# KiCad board edc-mux-board-fpga-main.kicad_pcb (continued)
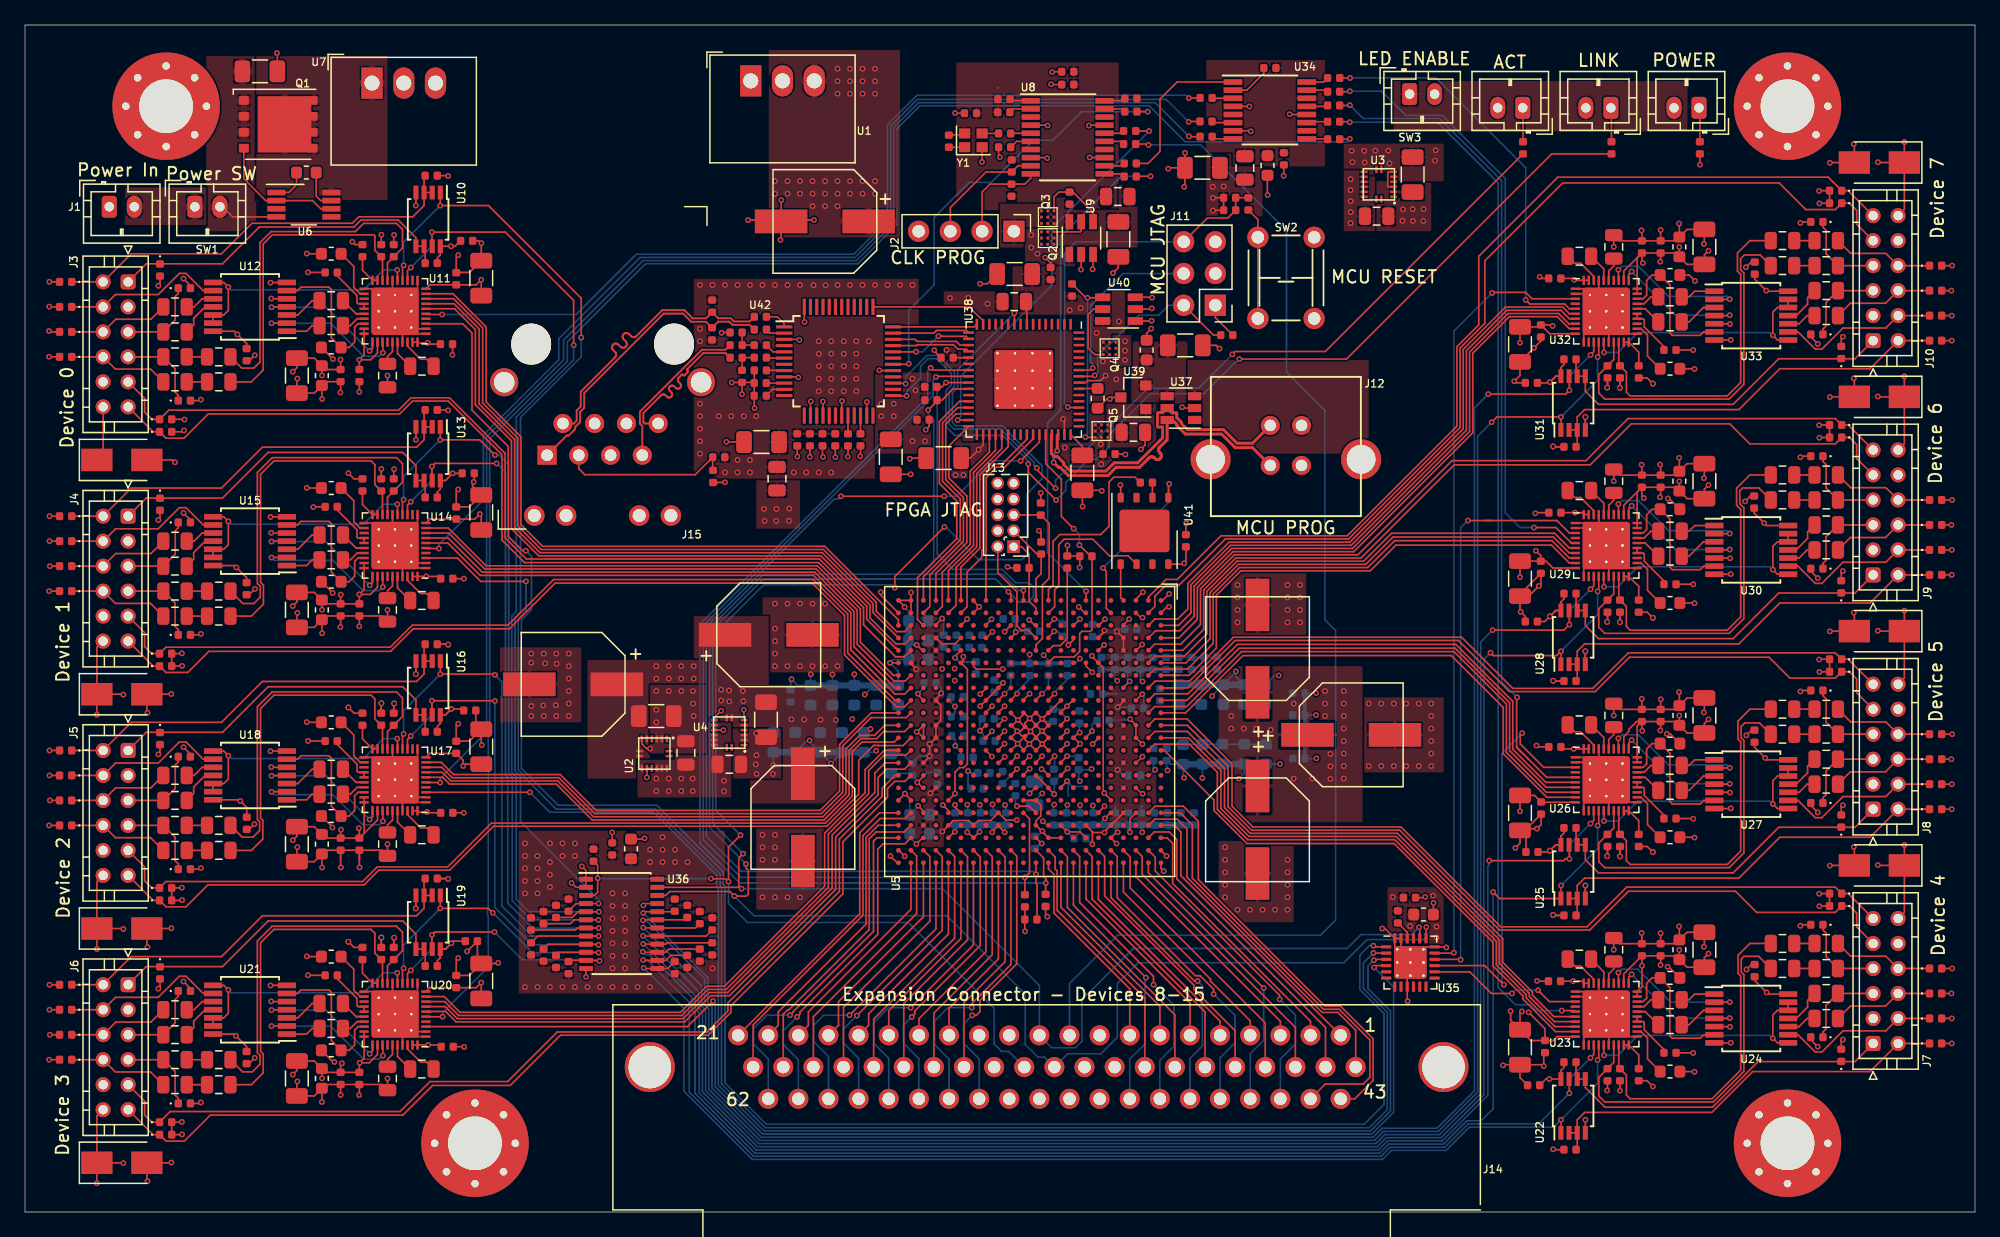
[diagram p0: board, top side]
## Routing (per net, layer and track width the routed paths; a pad name or vN(x,y) marks a point on that pad's centre or on a via; arc(x,y) is an arc through that point) (continued)
/CODEC interconnection sheet/Interface - Connector 6/R_IN: length 27.6
  Top w0.127: C241.2 137.99,58.99 136.93,57.93 136.93,56.56 137.26,56.24 137.26,47.64 136.18,46.56 128.42,46.56 128.11,46.87 128.11,48.46 C240.2 127.5,49.08 127.5,50.86
/CODEC interconnection sheet/Interface - Connector 6/R_OUT: length 3.3
  Top w0.127: U30.11 141.69,52.99 142.61,53.9 142.61,54.43 FB36.1
/CODEC interconnection sheet/Interface - Connector 6/REF: length 4.1
  Top w0.127: C244.2 129.8,49.75 129.8,51.43 129.29,51.94 U29.22
/CODEC interconnection sheet/Interface - Connector 6/SCL_HV: length 28.8
  Top w0.127: J9.1 146.4,49.54 140.3,49.54 136.65,45.89 125.88,45.89 124.82,46.94 U28.5 124.18,48.14 124.09,48.23 R27.2
/CODEC interconnection sheet/Interface - Connector 6/SDA_HV: length 33.8
  Top w0.127: U28.2 124.18,43.84 ; 124.18,43.84 124.18,42.58 R28.2 ; 124.18,43.84 124.18,44.88 124.77,45.47 137.11,45.47 140.38,48.74 147.6,48.74 J9.2 D64.1
/CODEC interconnection sheet/Interface - Connector 6/VNEG: length 1.9
  Top w0.127: U29.35 126.7,56.56 127.1,56.97 C246.2
/CODEC interconnection sheet/Interface - Connector 7/AUD_GND: length 13
  Top w0.127: U33.9 141.84,70.44 143.22,69.06 143.75,69.06 145.44,70.75 148.86,70.75 J10.4 D71.1
/CODEC interconnection sheet/Interface - Connector 7/HP_~{LINE}_SEL: length 20.4
  Top w0.127: U32.15 126.3,68.81 v1(126.32,68.79) ; U33.8 140.2,69.79 v1(139.83,70.16) 139.83,72.02 140.2,72.39 U33.12 U33.13
  Bottom w0.127: v1(126.32,68.79) 127.43,68.79 129.03,70.39 139.6,70.39 v1(139.83,70.16)
/CODEC interconnection sheet/Interface - Connector 7/HPL: length 11.3
  Top w0.127: v1(136.38,71.77) 136.35,71.74 U33.4 ; v1(128.53,75.27) 128.3,75.04 128.3,74.56
  Bottom w0.127: v1(128.53,75.27) 132.03,71.77 v1(136.38,71.77)
/CODEC interconnection sheet/Interface - Connector 7/HPR: length 12.2
  Top w0.127: 127.5,74.56 127.47,74.59 v1(127.47,75.41) ; v1(136.38,73.05) 136.37,73.04 U33.2
  Bottom w0.127: v1(127.47,75.41) 127.75,75.69 129.07,75.69 131.48,73.28 136.15,73.28 v1(136.38,73.05)
/CODEC interconnection sheet/Interface - Connector 7/L_IN: length 29.9
  Top w0.127: U32.17 127.1,68.22 C258.2 125.9,67.03 125.9,65.54 126.38,65.06 136.33,65.06 137.51,66.24 137.51,75.15 137.25,75.41 137.25,76.29 137.55,76.59 138.81,76.59 C270.1
/CODEC interconnection sheet/Interface - Connector 7/L_OUT: length 2.4
  Top w0.127: U33.10 141.93,71.09 142.57,71.74 FB38.2
/CODEC interconnection sheet/Interface - Connector 7/LINE_OUT_L: length 3.1
  Top w0.127: C267.1 133.12,71.24 134.28,72.39 U33.3
/CODEC interconnection sheet/Interface - Connector 7/LINE_OUT_R: length 2.8
  Top w0.127: U33.1 133.57,73.69 133.12,73.24 C268.1
/CODEC interconnection sheet/Interface - Connector 7/R_IN: length 27.5
  Top w0.127: C261.2 137.99,77.74 137,76.75 137,75.3 137.26,75.05 137.26,66.39 136.18,65.31 128.42,65.31 128.11,65.62 128.11,67.21 C260.2 127.5,67.83 U32.18
/CODEC interconnection sheet/Interface - Connector 7/R_OUT: length 3.3
  Top w0.127: U33.11 141.69,71.74 142.61,72.65 142.61,73.18 FB41.1
/CODEC interconnection sheet/Interface - Connector 7/REF: length 4.1
  Top w0.127: C264.2 129.8,68.5 129.8,70.18 129.29,70.69 U32.22
/CODEC interconnection sheet/Interface - Connector 7/SCL_HV: length 28.8
  Top w0.127: J10.1 146.4,68.29 140.3,68.29 136.65,64.64 125.88,64.64 124.82,65.69 U31.5 124.18,66.89 124.09,66.98 R29.2
/CODEC interconnection sheet/Interface - Connector 7/SDA_HV: length 33.8
  Top w0.127: R30.2 124.18,61.33 124.18,62.59 ; U31.2 124.18,62.59 ; 124.18,62.59 124.18,63.62 124.77,64.22 137.11,64.22 140.38,67.49 147.6,67.49 J10.2 D74.1
/CODEC interconnection sheet/Interface - Connector 7/VNEG: length 1.9
  Top w0.127: 126.7,74.56 126.7,75.31 127.1,75.72 C266.2
/CODEC interconnection sheet/MCLK0: length 73.8
  Top w0.127: v1(93.11,89.15) 93.12,89.16 R33.1 ; 32.08,71.89 32.14,71.83 v1(33.37,71.83)
  Bottom w0.127: v1(33.37,71.83) 44.09,71.83 48.91,76.65 66.3,76.65 69,79.35 69,87.02 71.36,89.38 92.88,89.38 v1(93.11,89.15)
/CODEC interconnection sheet/MCLK1: length 86.3
  Top w0.127: 94,87.28 93.12,87.28 v1(93.09,87.25) ; 32.08,53.14 32.11,53.1 v1(33.12,53.1)
  Bottom w0.127: v1(93.09,87.25) 91.3,89.04 71.38,89.04 69.25,86.91 69.25,79.24 66.41,76.4 49.21,76.4 42.7,69.89 42.7,68.21 36.67,62.18 36.67,56.97 33.12,53.43 v1(33.12,53.1)
/CODEC interconnection sheet/MCLK2: length 105.1
  Top w0.127: v1(33.22,34.37) 32.09,34.37 32.08,34.39 ; v1(93.12,86.08) 93.14,86.06 R39.1
  Bottom w0.127: v1(33.22,34.37) 33.22,34.69 36.92,38.39 36.92,62.03 43.09,68.2 43.09,69.79 49.44,76.14 66.51,76.14 69.51,79.14 69.51,86.81 71.48,88.78 90.42,88.78 v1(93.12,86.08)
/CODEC interconnection sheet/MCLK3: length 136.6
  Top w0.127: 32.08,15.64 32.08,15.63 v1(33.41,15.63) ; v1(105.99,85.89) 105.96,85.86 R40.1
  Bottom w0.127: v1(105.99,85.89) 105.75,85.65 92.82,85.65 89.94,88.53 71.59,88.53 69.76,86.7 69.76,79.03 66.62,75.89 49.64,75.89 43.39,69.64 43.39,68.1 37.17,61.88 37.17,38.29 37.06,38.17 37.06,24.21 37,24.15 37,23.75 37.06,23.69 37.06,19.6 33.41,15.95 v1(33.41,15.63)
/CODEC interconnection sheet/MCLK4: length 86.1
  Top w0.127: v1(105.98,87.22) 105.94,87.26 R38.1 ; v1(122.94,16.12) 123.94,16.12 U23.5
  Bottom w0.127: v1(105.98,87.22) 112.99,87.22 117.85,82.36 117.85,25.83 117.87,25.81 117.87,25.41 117.85,25.39 117.85,17.98 119.24,16.59 120.38,16.59 120.85,16.12 v1(122.94,16.12)
/CODEC interconnection sheet/MCLK5: length 68.3
  Top w0.127: U26.5 121.73,34.79 120.23,36.29 ; 120.23,36.29 119.32,37.2 ; 120.23,36.29 119.33,37.19 119.33,41.15 v1(119.37,41.19) ; R35.1 105.97,88.56 v1(105.99,88.58)
  Bottom w0.127: v1(119.37,41.19) 118.13,42.43 118.13,82.54 113.15,87.52 107.05,87.52 v1(105.99,88.58)
/CODEC interconnection sheet/MCLK6: length 49.5
  Top w0.127: v1(105.99,89.7) 105.95,89.66 R36.1 ; v1(120.72,54.78) 122.47,54.78 123.71,53.54 U29.5
  Bottom w0.127: v1(120.72,54.78) 119.6,54.78 118.42,55.96 118.42,82.71 113.36,87.77 110.46,87.77 108.53,89.7 v1(105.99,89.7)
/CODEC interconnection sheet/MCLK7: length 32.7
  Top w0.127: R34.1 v1(106,90.76) ; v1(120.06,73) 120.38,72.67 123.17,72.67 123.55,72.29 U32.5
  Bottom w0.127: v1(106,90.76) 112.87,90.76 120.06,83.58 v1(120.06,73)
/CODEC interconnection sheet/SCL0: length 80.2
  Top w0.127: U10.7 32.55,77.31 v1(32.55,78.42) 38.43,78.42 43.89,72.96 v1(43.89,69.38) ; v1(45.92,24.03) 45.91,24.03 U36.5 44.24,24.03 43.78,23.58 R43.1 ; v1(30.86,75.59) 30.6,75.33 30.6,74.56
  Bottom w0.127: v1(43.89,69.38) 43.89,68.2 39.3,63.61 39.3,48.05 38.95,47.7 38.95,35.18 39.3,34.83 39.3,25.05 40.32,24.03 v1(45.92,24.03) ; v1(30.86,75.59) 32.55,77.28 v1(32.55,78.42)
/CODEC interconnection sheet/SCL1: length 60.3
  Top w0.127: v1(45.91,22.72) 45.9,22.73 U36.7 44.2,22.73 44.04,22.58 R45.1 ; v1(37.73,59.91) 32.79,59.91 v1(32.55,59.67) 32.55,58.56 U13.7 ; v1(30.86,56.84) 30.6,56.58 U14.13
  Bottom w0.127: v1(45.91,22.72) 40.63,22.72 38.62,24.73 38.62,34.79 38.44,34.97 38.44,59.2 v1(37.73,59.91) ; v1(32.55,59.67) 32.55,58.53 v1(30.86,56.84)
/CODEC interconnection sheet/SCL2: length 41.5
  Top w0.127: v1(37.59,40.9) 37.57,40.92 v1(32.55,40.92) 32.55,39.81 U16.7 ; v1(30.86,38.09) 30.6,37.83 U17.13 ; v1(45.88,21.38) 45.82,21.44 U36.9 41.87,21.44 R47.1
  Bottom w0.127: v1(45.88,21.38) 40.58,21.38 37.59,24.37 v1(37.59,40.9) ; v1(32.55,40.92) 32.55,39.78 v1(30.86,38.09)
/CODEC interconnection sheet/SCL3: length 22.8
  Top w0.127: v1(45.96,20.1) 45.93,20.14 U36.11 43.57,20.14 R49.1 ; v1(30.86,19.34) 30.6,19.08 U20.13 ; v1(37.56,22.41) 32.79,22.41 v1(32.55,22.17) 32.55,21.06 U19.7
  Bottom w0.127: v1(30.86,19.34) 32.55,21.03 v1(32.55,22.17) ; v1(37.56,22.41) 39.78,20.19 45.55,20.19 45.64,20.1 v1(45.96,20.1)
/CODEC interconnection sheet/SCL4: length 96.4
  Top w0.127: U22.7 123.55,10.61 v1(123.55,9.51) ; R51.1 51.68,20.55 51.27,20.14 U36.14 49.47,20.14 v1(49.45,20.16) ; v1(125.24,12.34) 125.5,12.6 125.5,13.36
  Bottom w0.127: v1(125.24,12.34) 123.55,10.65 v1(123.55,9.51) 121.09,7.05 115.45,7.05 113.59,5.18 109.2,5.18 108.49,4.46 58.27,4.46 53.14,9.6 53.14,16.02 53.1,16.06 53.1,16.83 49.77,20.16 v1(49.45,20.16)
/CODEC interconnection sheet/SCL5: length 117.3
  Top w0.127: v1(117.13,28.12) 123.09,28.12 123.23,28.26 v1(123.55,28.26) 123.55,29.36 U25.7 ; v1(49.46,21.46) 49.49,21.44 U36.16 51.26,21.44 51.37,21.55 R53.1 ; v1(125.24,31.09) 125.5,31.35 U26.13
  Bottom w0.127: v1(49.46,21.46) 53.61,17.31 53.61,16.27 53.94,15.94 53.94,9.51 58.48,4.97 108.28,4.97 108.99,5.69 113.38,5.69 117.03,9.34 117.03,27.7 117.13,27.8 v1(117.13,28.12) ; v1(123.55,28.26) 123.55,29.4 v1(125.24,31.09)
/CODEC interconnection sheet/SCL6: length 134.8
  Top w0.127: v1(125.24,49.84) 125.5,50.1 125.5,50.86 ; U28.7 123.55,48.11 v1(123.55,47.01) 123.11,46.57 v1(117.41,46.57) ; R55.1 53.64,22.73 U36.18 49.49,22.73 v1(49.46,22.76)
  Bottom w0.127: v1(125.24,49.84) 123.55,48.15 v1(123.55,47.01) ; v1(117.41,46.57) 116.46,45.62 116.46,9.49 113.17,6.2 108.78,6.2 108.07,5.48 58.69,5.48 54.45,9.72 54.45,16.15 54.12,16.48 54.12,18.1 v1(49.46,22.76)
/CODEC interconnection sheet/SCL7: length 151.7
  Top w0.127: U32.13 125.5,68.85 v1(125.24,68.59) ; R57.1 51.94,24.03 U36.20 49.56,24.03 v1(49.46,23.93) ; U31.7 123.55,66.87 v1(123.55,65.76) 123.25,65.46 v1(117.06,65.46)
  Bottom w0.127: v1(125.24,68.59) 123.55,66.9 v1(123.55,65.76) ; v1(117.06,65.46) 115.95,64.35 115.95,9.7 112.96,6.71 108.57,6.71 107.86,5.99 58.91,5.99 54.96,9.94 54.96,16.38 54.63,16.71 54.63,18.76 v1(49.46,23.93)
/CODEC interconnection sheet/SDA0: length 78.7
  Top w0.127: U10.1 33.22,81.59 v1(33.22,80.55) 37.08,80.55 44.5,73.13 v1(44.5,69.99) ; v1(45.89,24.69) 45.88,24.69 U36.4 44.09,24.69 43.46,24.05 ; v1(30.29,75.76) 30.2,75.67 30.2,74.56
  Bottom w0.127: v1(33.22,80.55) 30.29,77.62 v1(30.29,75.76) ; v1(45.89,24.69) 45.89,25.01 39.64,31.26 39.64,34.85 39.2,35.29 39.2,47.59 39.64,48.03 39.64,63.59 44.5,68.45 v1(44.5,69.99)
/CODEC interconnection sheet/SDA1: length 61.6
  Top w0.127: v1(45.87,23.38) 45.87,23.39 U36.6 43.95,23.39 43.64,23.08 R44.1 ; v1(37.59,60.58) 36.37,61.8 v1(33.22,61.8) 33.22,62.83 U13.1 ; U14.14 30.2,56.92 v1(30.29,57.01)
  Bottom w0.127: v1(30.29,57.01) 30.29,58.87 v1(33.22,61.8) ; v1(45.87,23.38) 40.51,23.38 38.98,24.91 38.98,34.79 38.69,35.08 38.69,59.8 37.92,60.58 v1(37.59,60.58)
/CODEC interconnection sheet/SDA2: length 45.8
  Top w0.127: v1(45.89,22.08) 45.88,22.08 41.02,22.08 R46.1 ; v1(30.29,38.26) 30.2,38.17 U17.14 ; U16.1 33.22,44.08 v1(33.22,43.05) 37.53,43.05 v1(37.59,42.99)
  Bottom w0.127: v1(45.89,22.08) 40.56,22.08 38.15,24.49 38.15,42.43 v1(37.59,42.99) ; v1(30.29,38.26) 30.29,40.12 v1(33.22,43.05)
/CODEC interconnection sheet/SDA3: length 25.9
  Top w0.127: v1(37.42,23.95) 37.07,24.3 v1(33.22,24.3) 33.22,25.33 U19.1 ; R48.1 42.72,20.78 U36.10 45.85,20.78 v1(45.88,20.76) ; v1(30.29,19.51) 30.2,19.42 U20.14
  Bottom w0.127: v1(33.22,24.3) 30.29,21.37 v1(30.29,19.51) ; v1(45.88,20.76) 40.61,20.76 v1(37.42,23.95)
/CODEC interconnection sheet/SDA4: length 96
  Top w0.127: v1(122.88,7.38) 122.88,6.34 U22.1 ; v1(125.81,12.17) 125.9,12.26 125.9,13.36 ; v1(49.49,19.54) 49.54,19.48 U36.13 51.42,19.48 R50.1
  Bottom w0.127: v1(49.49,19.54) 52.71,16.32 52.71,9.67 58.17,4.21 108.59,4.21 109.31,4.93 113.69,4.93 115.56,6.79 122.29,6.79 v1(122.88,7.38) 125.81,10.31 v1(125.81,12.17)
/CODEC interconnection sheet/SDA5: length 116.5
  Top w0.127: R52.1 51.52,21.05 51.26,20.78 U36.15 49.47,20.78 v1(49.42,20.83) ; v1(117.45,25.61) 117.97,25.09 U25.1 122.88,25.09 v1(122.88,26.13) ; U26.14 125.9,31.01 v1(125.81,30.92)
  Bottom w0.127: v1(117.45,25.61) 117.45,8.26 116.49,7.3 115.35,7.3 113.48,5.44 109.1,5.44 108.38,4.72 58.38,4.72 53.6,9.5 53.6,15.92 53.36,16.16 53.36,17.17 49.93,20.6 49.65,20.6 v1(49.42,20.83) ; v1(122.88,26.13) 125.81,29.06 v1(125.81,30.92)
/CODEC interconnection sheet/SDA6: length 135.8
  Top w0.127: v1(125.81,49.67) 125.9,49.76 125.9,50.86 ; 54.85,22.45 54.49,22.08 49.47,22.08 v1(49.44,22.11) ; U28.1 122.88,43.84 v1(122.88,44.88) 122.53,44.53 117.47,44.53 v1(117.24,44.76)
  Bottom w0.127: v1(49.44,22.11) 53.87,17.68 53.87,16.37 54.2,16.04 54.2,9.62 58.59,5.23 108.17,5.23 108.89,5.94 113.27,5.94 116.71,9.38 116.71,44.23 v1(117.24,44.76) ; v1(125.81,49.67) 125.81,47.81 v1(122.88,44.88)
/CODEC interconnection sheet/SDA7: length 152.4
  Top w0.127: R56.1 52.79,23.39 U36.19 49.48,23.39 v1(49.44,23.35) ; v1(125.81,68.42) 125.9,68.51 U32.14 ; U31.1 122.88,62.59 v1(122.88,63.63) 117.75,63.63 v1(117.33,63.21)
  Bottom w0.127: v1(49.44,23.35) 49.68,23.35 54.37,18.66 54.37,16.58 54.7,16.25 54.7,9.83 58.8,5.73 107.96,5.73 108.68,6.45 113.06,6.45 116.2,9.59 116.2,62.08 v1(117.33,63.21) ; v1(122.88,63.63) 125.81,66.56 v1(125.81,68.42)
/CODEC interconnection sheet/WCLK0: length 56.9
  Top w0.127: U5.AB4 67.85,47.98 67.85,48.7 63.77,52.77 41.2,52.77 39.17,54.8 39.17,61.83 36.33,64.67 36.33,70.69 34.32,72.69 32.08,72.69
/CODEC interconnection sheet/WCLK1: length 44.4
  Top w0.127: U5.AB8 69.61,41.95 66.32,45.23 66.32,48.06 63.18,51.2 36.59,51.2 33.85,53.94 32.08,53.94
/CODEC interconnection sheet/WCLK2: length 44.4
  Top w0.127: U5.AB11 68.76,38.95 67.96,38.15 66.77,38.15 65.67,37.05 65.67,33.48 63.82,31.63 45.48,31.63 42.61,34.5 34.07,34.5 33.38,35.19 32.08,35.19
/CODEC interconnection sheet/WCLK3: length 50.1
  Top w0.127: 32.08,16.44 33.62,16.44 34.59,15.47 52.65,15.47 54.74,17.56 56.2,17.56 64.57,25.93 64.57,30.16 67.99,33.58 67.99,35.13 68.81,35.95 U5.AB14
/CODEC interconnection sheet/WCLK4: length 45.6
  Top w0.127: U5.A12 93.06,37.95 95.67,35.34 95.67,32.3 97.92,30.05 109.69,30.05 117.96,21.78 117.96,19.88 120.35,17.49 120.35,17.24 122.35,15.24 U23.7
/CODEC interconnection sheet/WCLK5: length 41.7
  Top w0.127: U5.A9 92.96,40.95 97.13,45.12 114.41,45.12 118.77,40.76 118.77,36.92 121.7,33.99 U26.7
/CODEC interconnection sheet/WCLK6: length 40
  Top w0.127: U29.7 123.55,52.74 122.27,54.02 109.44,54.02 107.25,51.83 97.07,51.83 94.8,49.57 94.8,45.88 92.87,43.95 U5.A6
/CODEC interconnection sheet/WCLK7: length 48.9
  Top w0.127: U5.A3 92.28,46.95 93.28,47.95 93.28,50.2 96.43,53.36 106.1,53.36 115.31,62.57 115.31,68.93 118.54,72.16 122.88,72.16 123.55,71.49 U32.7
/CODEC interconnection sheet/~{RESET}0: length 147.8
  Top w0.127: 32.08,71.09 35.01,71.09 35.76,70.34 35.76,64.17 38.66,61.27 38.66,54.07 39.81,52.92 v1(40.07,52.92) ; U35.1 107.97,21.22 v1(107.87,21.32)
  Bottom w0.127: v1(40.07,52.92) 40.52,52.47 40.52,48.19 39.71,47.38 39.71,35.5 42.66,32.55 50.55,32.55 55.86,27.24 55.86,26.24 56,26.1 56,10.33 59.3,7.03 107.14,7.03 108.72,8.61 108.72,15.88 106.79,17.81 106.79,20.56 107.55,21.32 v1(107.87,21.32)
/CODEC interconnection sheet/~{RESET}1: length 130.6
  Top w0.127: U35.2 107.89,20.72 v1(107.87,20.74) ; 32.08,52.34 34.59,52.34 36.46,50.47 v1(40.08,50.47)
  Bottom w0.127: v1(40.08,50.47) 40.08,48.11 39.46,47.49 39.46,35.39 39.9,34.95 39.9,34.84 42.49,32.25 50.4,32.25 55.61,27.04 55.61,26.13 55.72,26.02 55.72,10.25 59.22,6.75 107.54,6.75 108.98,8.19 108.98,15.98 107.07,17.89 107.07,19.94 v1(107.87,20.74)
/CODEC interconnection sheet/~{RESET}2: length 112.8
  Top w0.127: v1(40.39,33.59) 32.08,33.59 ; v1(107.91,20.15) 107.97,20.22 U35.3
  Bottom w0.127: v1(40.39,33.59) 41.98,32 50.29,32 55.35,26.94 55.35,26.03 55.47,25.92 55.47,10.15 59.12,6.5 107.65,6.5 109.23,8.08 109.23,16.08 107.44,17.88 107.44,19.69 v1(107.91,20.15)
/CODEC interconnection sheet/~{RESET}3: length 100.6
  Top w0.127: U35.4 108.08,19.72 v1(107.93,19.57) ; 32.08,14.84 53,14.84 v1(55.05,16.89)
  Bottom w0.127: v1(107.93,19.57) 109.49,18.01 109.49,7.98 107.75,6.24 59.01,6.24 55.21,10.04 55.21,16.72 v1(55.05,16.89)
/CODEC interconnection sheet/~{RESET}4: length 12.5
  Top w0.127: U35.14 115.58,19.22 117.31,17.49 v1(118.96,17.49) ; v1(121.04,17.75) 121.95,16.84 U23.3
  Bottom w0.127: v1(121.04,17.75) 119.22,17.75 v1(118.96,17.49)
/CODEC interconnection sheet/~{RESET}5: length 33.1
  Top w0.127: U35.15 116.78,19.72 v1(118.31,18.19) ; v1(119.77,38.32) 119.62,38.17 119.62,37.46 121.49,35.59 U26.3
  Bottom w0.127: v1(119.77,38.32) 118.16,36.71 118.16,18.34 v1(118.31,18.19)
/CODEC interconnection sheet/~{RESET}6: length 46.9
  Top w0.127: 115.42,55.33 v1(115.43,55.34) 117.31,55.34 ; v1(114.85,20.19) 114.82,20.22 U35.16 ; 117.31,55.34 122.55,55.34 123.55,54.34 U29.3 ; 117.31,55.34 116.87,55.34
  Bottom w0.127: v1(114.85,20.19) 114.85,54.76 v1(115.43,55.34)
/CODEC interconnection sheet/~{RESET}7: length 62.5
  Top w0.127: v1(117.37,73.56) 117.41,73.6 120.05,73.6 120.56,73.09 U32.3 ; v1(114.31,20.75) 114.28,20.72 U35.17
  Bottom w0.127: v1(117.37,73.56) 114.31,70.5 v1(114.31,20.75)
/CONF_DONE: length 81.3
  Top w0.127: R68.1 v1(79.99,26.78) 80.36,27.15 80.36,31.47 U5.M18 ; U38.24 72.92,66.88 v1(72.87,66.83)
  Bottom w0.127: v1(72.87,66.83) 72.64,66.6 72.64,65.32 54.26,46.94 54.26,29.79 57.27,26.78 v1(79.99,26.78)
/CRC_ERROR: length 81.7
  Top w0.127: R69.1 81.65,26.31 v1(81.67,26.33) 81.67,26.65 81.49,26.83 81.49,28.33 U5.L21 80.88,28.99 ; U38.23 72.64,67.38 v1(72.45,67.57)
  Bottom w0.127: v1(81.67,26.33) 57.18,26.33 54,29.51 54,47.04 72.22,65.26 72.22,67.34 v1(72.45,67.57)
/Ethernet Connections/ACTLED: length 70.8
  Top w0.127: v1(82.44,57.92) 80.95,59.41 v1(80.95,59.54) ; U42.27 70.4,66.34 v1(70.45,66.29) ; R84.2 104.02,68.87 96.82,68.87 v1(96.59,68.64)
  Bottom w0.127: v1(96.59,68.64) 93.89,65.94 89.83,65.94 82.44,58.55 v1(82.44,57.92) ; v1(70.45,66.29) 70.45,66.85 72.15,68.55 73.03,68.55 74.35,67.23 74.35,66.07 73.93,65.65 73.93,63.06 74.32,62.67 78.05,62.67 80.72,60 80.72,59.77 v1(80.95,59.54)
/Ethernet Connections/LINKLED: length 80.2
  Top w0.127: v1(70.53,65.32) 69.46,65.32 U42.25 ; R83.2 122.13,84.69 105.71,68.26 v1(97.15,68.26) ; v1(82.49,56.97) 80.26,59.2 v1(80.26,59.87)
  Bottom w0.127: v1(80.26,59.87) 80.26,60.1 78.21,62.15 74.38,62.15 73.68,62.85 73.68,65.76 74.1,66.18 74.1,67.12 72.92,68.3 72.26,68.3 71.64,67.68 71.64,66.75 70.53,65.64 v1(70.53,65.32) ; v1(97.15,68.26) 96.92,68.03 96.85,68.03 94.32,65.5 90.04,65.5 86.74,62.2 86.74,61.25 85.74,60.25 85.12,60.25 83.26,58.39 83.26,57.74 v1(82.49,56.97)
/Ethernet Connections/MISO: length 6.2
  Top w0.127: U38.19 74.81,69.38 74.52,69.67 71.37,69.67 71.2,69.84 U42.34
/Ethernet Connections/MOSI: length 6.2
  Top w0.127: U38.17 75.32,70.55 72.92,70.55 72.71,70.34 U42.35
/Ethernet Connections/RD+: length 13
  Top w0.147: 49.38,60.57 49.38,62.92 49.19,63.11 49.19,64.06 54.15,69.01 56.04,69.01 C308.1
/Ethernet Connections/RD-: length 13
  Top w0.147: C309.1 56.04,68.74 54.26,68.74 53.01,67.48 52.99,67.47 52.98,67.45 52.98,67.42 52.98,67.4 52.98,67.38 52.99,67.36 53.02,67.33 53.03,67.31 53.04,67.28 53.04,67.26 53.03,67.24 53.02,67.22 53.01,67.2 52.79,66.99 52.78,66.98 52.76,66.97 52.73,66.96 52.71,66.96 52.69,66.97 52.67,66.98 52.64,67 52.62,67.01 52.59,67.02 52.57,67.02 52.55,67.01 52.53,67 52.51,66.99 52.3,66.78 52.26,66.73 52.24,66.68 52.23,66.63 52.23,66.57 52.24,66.52 52.26,66.47 52.3,66.42 52.4,66.32 52.44,66.27 52.46,66.22 52.48,66.17 52.48,66.11 52.46,66.06 52.44,66.01 52.4,65.96 52.36,65.93 52.31,65.9 52.26,65.89 52.2,65.89 52.15,65.9 52.09,65.93 52.05,65.96 51.95,66.07 51.9,66.1 51.85,66.13 51.8,66.14 51.74,66.14 51.69,66.13 51.64,66.1 51.59,66.07 51.56,66.03 51.53,65.97 51.52,65.92 51.52,65.86 51.53,65.81 51.56,65.76 51.59,65.72 51.7,65.61 51.73,65.57 51.76,65.52 51.77,65.46 51.77,65.41 51.76,65.35 51.73,65.3 51.7,65.26 51.65,65.22 51.6,65.2 51.55,65.19 51.49,65.19 51.44,65.2 51.39,65.22 51.34,65.26 51.24,65.36 51.2,65.4 51.15,65.42 51.09,65.43 51.03,65.43 50.98,65.42 50.93,65.4 50.89,65.36 49.47,63.94 49.47,63.22 49.58,63.11 J15.8
/Ethernet Connections/TCT: length 13.6
  Top w0.127: C310.1 55.01,59.39 R82.1 53.62,59.01 44.78,59.01 44.31,59.49 J15.3
/Ethernet Connections/TD+: length 23.5
  Top w0.147: R75.1 57.97,71 56.6,71 56.34,71.26 55.45,71.26 R81.1 54.48,71.25 53.3,71.25 52.64,71.9 51.1,71.9 44.74,65.54 44.74,64.36 44.41,64.03 44.41,63.21 44,62.81 44,62.65 43.5,62.14 43.34,62.14 41.76,60.57
/Ethernet Connections/TD-: length 23.5
  Top w0.147: R74.1 57.97,71.27 56.71,71.27 56.45,71.53 55.45,71.53 R79.1 54.48,71.52 53.41,71.52 52.76,72.18 50.98,72.18 48.91,70.1 48.86,70.06 48.79,70.03 48.73,70.02 48.66,70.02 48.6,70.03 48.54,70.06 48.48,70.1 48.32,70.27 48.27,70.31 48.21,70.34 48.14,70.35 48.07,70.35 48.01,70.34 47.95,70.31 47.9,70.27 47.85,70.21 47.82,70.15 47.81,70.09 47.81,70.02 47.82,69.95 47.85,69.89 47.9,69.84 48.06,69.68 48.1,69.63 48.13,69.56 48.15,69.5 48.15,69.43 48.13,69.37 48.1,69.31 48.06,69.25 48.01,69.21 47.95,69.18 47.88,69.17 47.81,69.17 47.75,69.18 47.69,69.21 47.64,69.25 47.47,69.42 47.42,69.46 47.36,69.49 47.29,69.5 47.23,69.5 47.16,69.49 47.1,69.46 47.05,69.42 47.01,69.36 46.98,69.3 46.96,69.24 46.96,69.17 46.98,69.11 47.01,69.05 47.05,68.99 47.21,68.83 47.25,68.78 47.28,68.72 47.3,68.65 47.3,68.58 47.28,68.52 47.25,68.46 47.21,68.4 44.46,65.66 44.46,64.48 44.13,64.15 44.13,63.33 43.92,63.11 J15.2
/Ethernet Connections/~{INT}: length 6.8
  Top w0.127: U42.36 75.95,70.84 U38.16
/Ethernet Connections/~{RESET}_ETH: length 9.6
  Top w0.127: U38.15 76.65,71.32 75.53,72.44 U42.37
/Ethernet Connections/~{SS}: length 6.7
  Top w0.127: U42.32 71.28,68.84 v1(71.29,68.85) ; U38.18 75.28,70.08 73.4,70.08 73.39,70.09 v1(73.07,70.09)
  Bottom w0.127: v1(71.29,68.85) 71.83,68.85 v1(73.07,70.09)
/FPGA Interconnects/DEV_ATT0: length 78.4
  Top w0.127: U5.AA5 70.37,44.44 69.64,44.44 67.08,47 67.08,48.38 63.49,51.97 39.96,51.97 38.15,53.78 38.15,60.61 33.86,64.9 31,64.9 29.97,63.87 14.66,63.87 12.72,61.93 11.28,61.93 D6.1 10.25,62.44 J3.11
/FPGA Interconnects/DEV_ATT1: length 72.8
  Top w0.127: U5.AA9 70.35,40.43 69.72,40.43 65.56,44.59 65.56,47.75 62.98,50.33 42.41,50.33 38.76,46.68 31.06,46.68 29.25,44.87 14.71,44.87 13.02,43.18 11.28,43.18 D16.1 10.25,43.69 J4.11
/FPGA Interconnects/DEV_ATT2: length 70.9
  Top w0.127: U5.AA12 70.26,37.33 68.3,37.33 68.29,37.34 67.89,37.34 66.7,36.15 66.7,33.43 64.14,30.87 37.48,30.87 33.97,27.36 28.3,27.36 27.12,26.18 14.63,26.18 12.88,24.43 11.28,24.43 D26.1 10.25,24.94 J5.11
/FPGA Interconnects/DEV_ATT3: length 78.9
  Top w0.127: J6.11 10.25,6.19 D36.1 11.28,5.68 12.75,5.68 14.83,7.76 30.24,7.76 32.61,10.13 38.82,10.13 42.84,14.15 54.65,14.15 56.48,15.98 56.48,16.51 65.43,25.46 65.43,29.62 69,33.19 69,33.88 69.59,34.47 70.4,34.47 U5.AA15
/FPGA Interconnects/DEV_ATT4: length 69.4
  Top w0.127: J7.11 145.85,25.49 D46.1 144.82,26 128.13,26 124.95,22.82 118.07,22.82 110.07,30.82 98.23,30.82 96.56,32.49 96.56,35.87 92.97,39.46 90.38,39.46 U5.B11
/FPGA Interconnects/DEV_ATT5: length 63.6
  Top w0.127: J8.11 145.85,44.24 D56.1 144.82,44.75 128.27,44.75 125.43,41.91 119.02,41.91 114.93,46 96.67,46 93.16,42.49 90.41,42.49 U5.B8
/FPGA Interconnects/DEV_ATT6: length 68.4
  Top w0.127: J9.11 145.85,62.99 D66.1 144.82,63.5 128.24,63.5 124.87,60.13 114.16,60.13 106.63,52.6 96.75,52.6 94.04,49.89 94.04,47.02 92.46,45.44 90.37,45.44 U5.B5
/FPGA Interconnects/DEV_ATT7: length 80.4
  Top w0.127: J10.11 145.85,81.74 D76.1 144.25,82.82 122.63,82.82 116.3,76.49 116.3,71 114.55,69.25 114.55,62.89 105.78,54.12 95.68,54.12 92.19,50.63 91.28,50.63 89.88,49.22 U5.B1
/FPGA Interconnects/DEV_ATT8: length 23
  Top w0.127: U5.N22 78.88,19.82 75.74,16.68 v1(75.74,16.36)
  Bottom w0.127: v1(75.74,16.36) 73.84,16.36 72.76,15.28 72.76,13.4 73.92,12.24 J14.56
/FPGA Interconnects/DEV_ATT9: length 23.7
  Top w0.127: U5.T22 75.88,21.38 v1(70.85,16.36)
  Bottom w0.127: v1(70.85,16.36) 69.1,16.36 67.93,15.19 67.93,13.47 69.1,12.3 J14.58
/FPGA Interconnects/DEV_ATT10: length 24.6
  Top w0.127: v1(65.96,15.75) 72.88,22.67 U5.W22
  Bottom w0.127: v1(65.96,15.75) 63.89,15.75 63.09,14.95 63.09,13.64 64.28,12.45 J14.60
/FPGA Interconnects/DEV_ATT11: length 28.3
  Top w0.127: U5.AB20 68.16,29.95 67.88,29.67 67.88,22.46 61.43,16.01 61.43,15.98 v1(61.2,15.75)
  Bottom w0.127: J14.62 59.46,12.26 58.28,13.44 58.28,14.68 59.35,15.75 v1(61.2,15.75)
/FPGA Interconnects/DEV_ATT12: length 35.2
  Top w0.127: U5.A18 92.42,31.95 93.39,30.98 93.39,26.72 103.88,16.23 105.13,16.23 107.59,13.77 107.59,10.78 107.05,10.24 104.02,10.24 J14.44
/FPGA Interconnects/DEV_ATT13: length 23.2
  Top w0.127: U5.B22 89.88,27.14 v1(99.09,17.92)
  Bottom w0.127: J14.46 98.02,12.67 99.09,13.75 v1(99.09,17.92)
/FPGA Interconnects/DEV_ATT14: length 22.5
  Top w0.127: v1(93.81,18.49) 93.55,18.49 86.88,25.16 U5.E22
  Bottom w0.127: v1(93.81,18.49) 94.2,18.1 94.2,13.29 93.2,12.29 J14.48
/FPGA Interconnects/DEV_ATT15: length 21.8
  Top w0.127: U5.H22 83.88,24.56 v1(89.67,18.76)
  Bottom w0.127: v1(89.67,18.76) 89.6,18.69 89.6,13.45 88.38,12.23 J14.50
/FPGA Interconnects/DEV_INT0: length 77.3
  Top w0.127: 69.69,45.14 69.64,45.14 67.34,47.44 67.34,48.48 63.56,52.26 40.11,52.26 38.41,53.96 38.41,60.71 33.96,65.16 30.87,65.16 29.88,64.17 11.5,64.17 D9.1 10.14,63.44 9.57,64.01 9.57,65.12 J3.9 ; 69.69,45.14 U5.AB5 ; 69.69,45.14 69.59,45.14
/FPGA Interconnects/DEV_INT1: length 71.8
  Top w0.127: U5.AB9 69.61,40.95 65.81,44.74 65.81,47.85 63.05,50.62 42.29,50.62 38.64,46.97 30.99,46.97 29.22,45.2 11.28,45.2 D19.1 10.14,44.69 9.57,45.26 9.57,46.37 J4.9